# Altium PCB PCB2.PcbDoc (part 4 of 4) (continued)
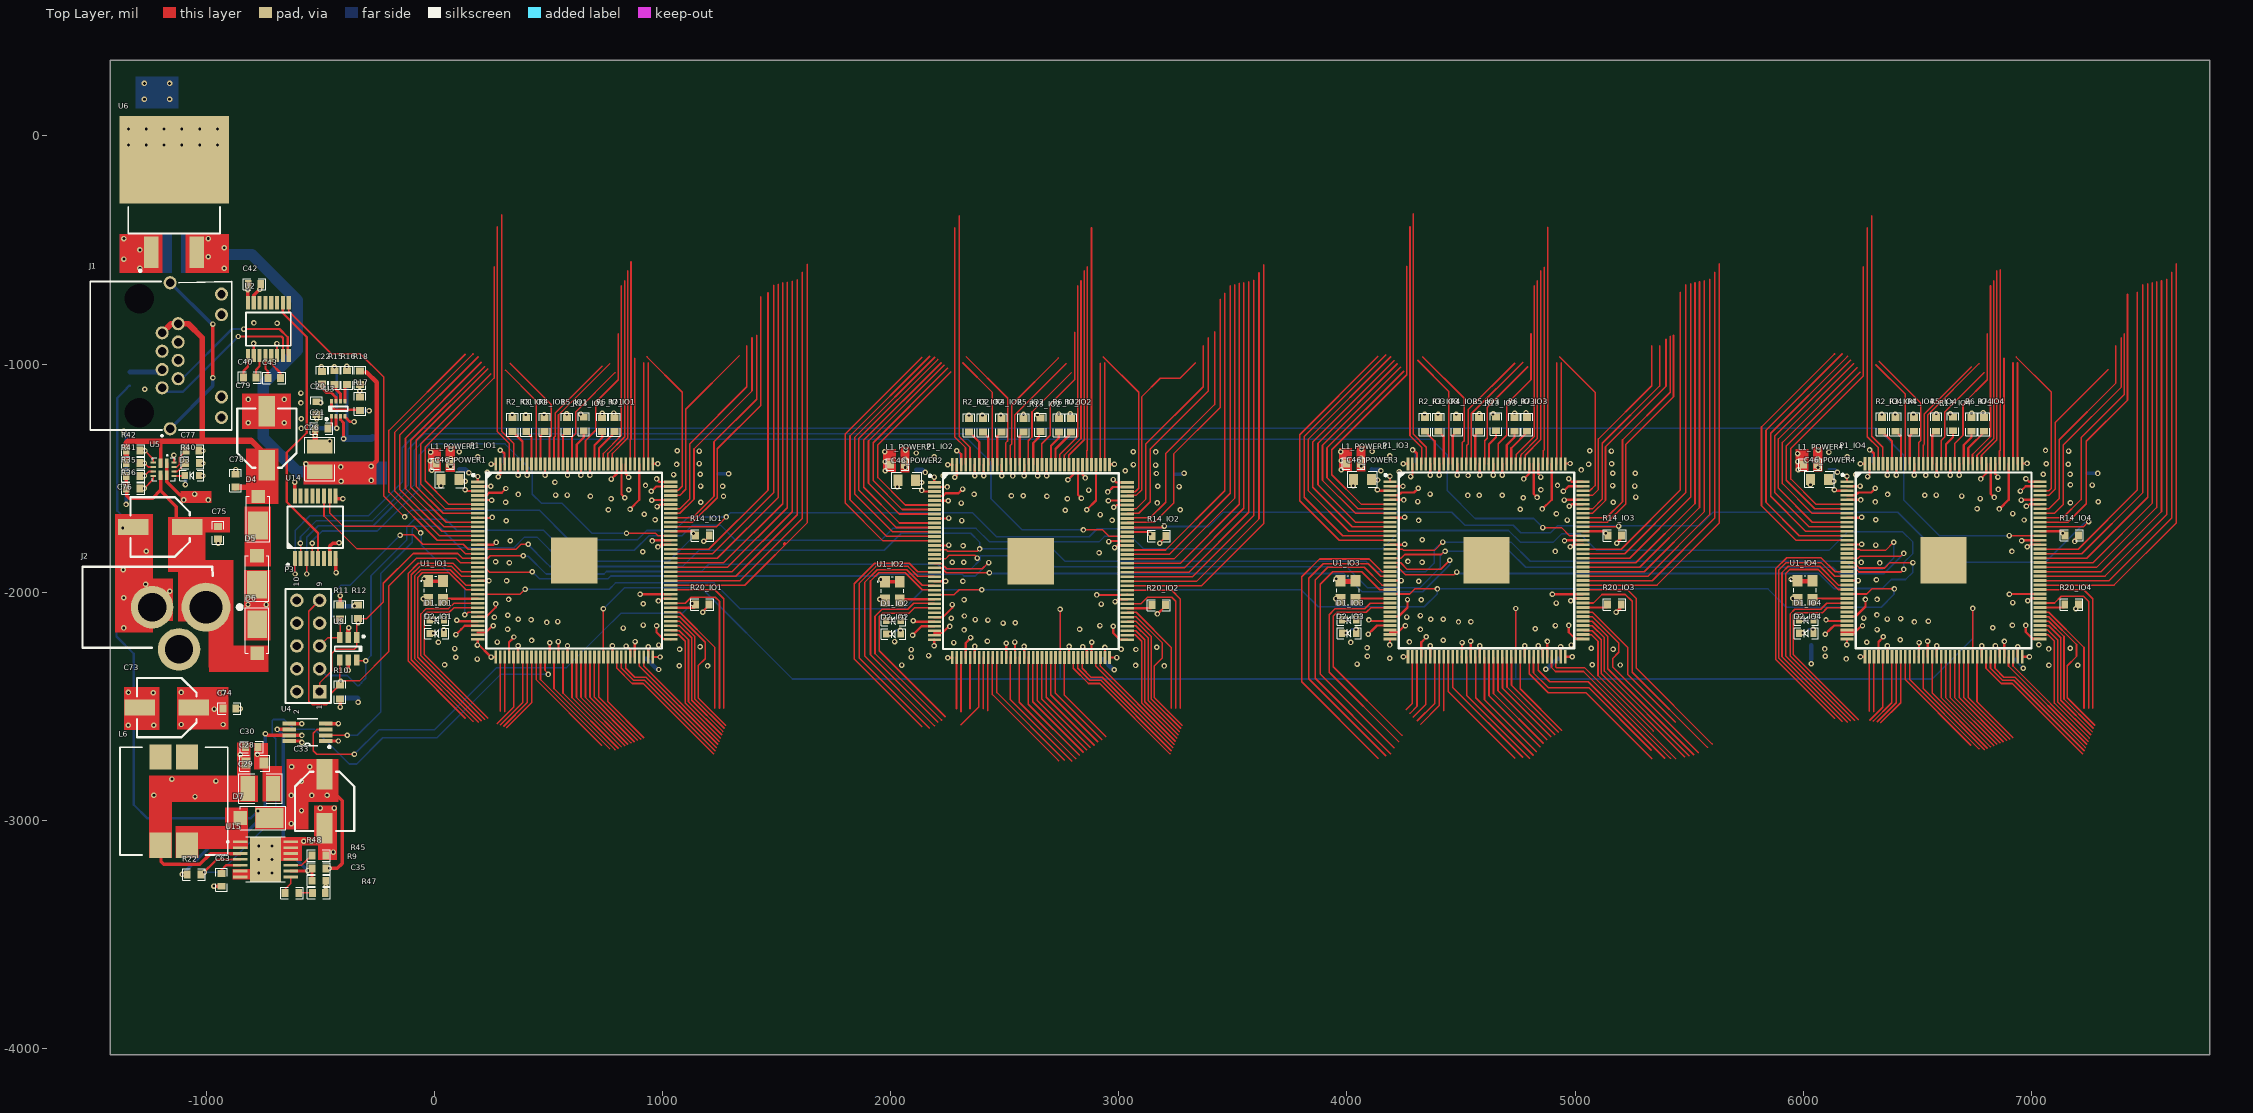
[diagram p0: Top Layer view]
## Nets (pads, with @x,y where several pads share a name; then routed paths per layer and width w, separated by ;. In a path a pad name is that pad's centre, name@x,y a point inside that pad or via, vN(x,y) a via of type N, cw(c..) or ccw(c..) an arc to the next point about the centre after c; other vN are vias at no path point) (continued)
VCC_12V: C19.2 C20.2 C28.2 C29.2 C30.2 C73.1 C74.2 D5.1 D6.1 L6.1 R15.2 R37.1 U3.2 U5.1 U5.8 U15.3 | length 1194.8
  Top Layer w12: U3.2@-430.27,-1228.8 -430.27,-1278.22 v1(-426.97,-1281.52)
  Top Layer w15: L6.1@-1199.57,-3108.51 -1197.5,-3110.58 -1197.5,-3180.6 -1195.5,-3180.6 -1184.71,-3191.39 -1026.88,-3191.39 -980.64,-3145.15 U15.3@-849.83,-3145.15 ; U5.1@-1172.1,-1434.23 U5.8@-1172.1,-1487.37 -1172.1,-1516.58 -1115.48,-1573.2 -1014.47,-1573.2
  Bottom Layer w12: C19.2@-541.8,-1259.52 C19.2@-519.79,-1281.52 ; v1(-437.6,-1012.6) -426.97,-1023.23 v1(-426.97,-1281.52)
  Bottom Layer w15: v1@-1089.94,-1524.92 -1089.66,-1524.64 R37.1@-1089.66,-1489.33
  Bottom Layer w20: C19.2@-519.79,-1281.52 v1(-426.97,-1281.52)
  other v1: -1048.5,-2895.6 -1228.5,-2889.6 -956.5,-2827.6 -1149.5,-2818.6 -849.25,-2711.29 -1108.4,-2579.5 -925.7,-2579.5 -963.9,-2511.8 -1108.4,-2439 -925.7,-2439 -816.2,-2054.1 -736.7,-2054.1 -1098.16,-1595.43 -990.76,-1595.43 -1050.16,-1569.83 -1090.26,-1527.93 -583,-1282.2 -583,-1240 -515.3,-1240.5
VCC_FPGA_IO1: C2_POWER1.1 C3_POWER1.1 C4_POWER1.1 C5_POWER1.1 C6_POWER1.1 C7_POWER1.1 C9_POWER1.1 C10_POWER1.2 C11_POWER1.2 C12_POWER1.1 C13_POWER1.1 C15_POWER1.1 C16_POWER1.1 C17_POWER1.1 C23_POWER1.1 C24_POWER1.1 C45_POWER1.1 C46_POWER1.2 C47_POWER1.1 C48_POWER1.1 C49_POWER1.1 C51_POWER1.1 C52_POWER1.1 C53_POWER1.1 C54_POWER1.1 C55_POWER1.2 C56_POWER1.2 C57_POWER1.1 C58_POWER1.1 C59_POWER1.1 C60_POWER1.1 C61_POWER1.1 C62_POWER1.1 C64_POWER1.1 C65_POWER1.1 C66_POWER1.1 C67_POWER1.1 C68_POWER1.1 C69_POWER1.2 C70_POWER1.2 C71_POWER1.2 C72_POWER1.2 L1_POWER1.2 L3_POWER1.2 P1_IO1.1 P1_IO1.2 P1_IO1.5 P1_IO1.9 P1_IO1.23 P1_IO1.31 P1_IO1.34 P1_IO1.35 P1_IO1.36 P1_IO1.37 P1_IO1.40 P1_IO1.49 P1_IO1.51 P1_IO1.67 P1_IO1.71 P1_IO1.72 P1_IO1.73 P1_IO1.82 P1_IO1.94 P1_IO1.103 P1_IO1.107 P1_IO1.108 P1_IO1.109 P1_IO1.115 P1_IO1.117 P1_IO1.128 P1_IO1.139 P1_IO1.143 P1_IO1.144 R1_IO1.1 R2_IO1.1 R3_IO1.1 R4_IO1.1 R5_IO1.1 R6_IO1.1 R7_IO1.1 R14_IO1.2 R20_IO1.2 | length 1793.6
  Top Layer w10: v1(190.1,-1492.67) 190.1,-1515.95 P1_IO1.1@190.71,-1516.57 P1_IO1.1@190.96,-1516.81 ; 190.71,-2176.02 225.48,-2176.02 245.2,-2156.3 245.41,-2156.3 254.41,-2147.3 v1(258.2,-2147.3) ; P1_IO1.31@190.71,-2107.12 190.93,-2106.9 227.6,-2106.9 269.2,-2065.3 v1(269.2,-2051.3) ; P1_IO1.23@190.71,-1949.64 v1(239.66,-1949.64) ; P1_IO1.9@190.71,-1674.05 190.96,-1674.3 252.07,-1674.3 v1@254.78,-1671.59 ; P1_IO1.5@190.71,-1595.31 191.26,-1595.85 250.42,-1595.85 v1(250.97,-1596.4) ; P1_IO1.2@190.71,-1536.25 190.96,-1536.01 247.26,-1536.01 v1(247.5,-1535.76) ; P1_IO1.36@190.83,-2205.42 P1_IO1.36@190.71,-2205.54 190.71,-2225.54 248.98,-2283.81 P1_IO1.37@268.98,-2283.81 ; v1(248.96,-1438.2) 249.06,-1438.3 P1_IO1.144@268.98,-1438.3 P1_IO1.144@269.22,-1438.06 ; v1(280.52,-1493.77) 280.66,-1493.77 288.66,-1485.77 P1_IO1.143@288.66,-1438.3 ; P1_IO1.40@328.03,-2283.81 328.03,-2219.47 349.26,-2198.24 v1(349.26,-2196.11) ; v1(367.4,-1487.25) P1_IO1.139@367.4,-1438.3 ; P1_IO1.49@505.2,-2283.81 505.7,-2283.31 505.7,-2221.8 v1(506.2,-2221.3) ; v1(543.44,-2215.91) 544.42,-2216.89 544.42,-2283.66 P1_IO1.51@544.57,-2283.81 ; v1(583.94,-1487.25) P1_IO1.128@583.94,-1438.3 ; v1(776.15,-1504.18) 800.48,-1479.86 P1_IO1.117@800.48,-1438.3 ; P1_IO1.115@839.85,-1438.3 839.85,-1481.63 851.66,-1493.45 v1(851.66,-1496.27) ; v1(840.65,-2235.78) 843.72,-2235.78 858.63,-2250.68 858.63,-2282.91 P1_IO1.67@859.53,-2283.81 ; v1@939.2,-2241.3 938.24,-2242.26 P1_IO1.71@938.24,-2283.78 ; v1@952.2,-1557.3 973.25,-1536.25 P1_IO1.107@1036.22,-1536.25 ; P1_IO1.72@957.96,-2283.81 P1_IO1.72@957.96,-2283.81 v1(989.62,-2283.77) ; P1_IO1.109@957.96,-1438.3 959.63,-1436.63 v1(979.58,-1436.63) ; v1(974.08,-2146.27) 974.08,-2175.63 1003.09,-2204.64 1035.32,-2204.64 P1_IO1.73@1036.22,-2205.54 ; v1(974.18,-1503.34) 987.4,-1516.57 P1_IO1.108@1036.22,-1516.57 ; v1(976.44,-1624.36) 980.22,-1624.36 989.59,-1614.99 P1_IO1.103@1036.22,-1614.99 ; v1(980.25,-1801.49) 983.51,-1801.49 993.1,-1791.9 1035.96,-1791.9 P1_IO1.94@1036.22,-1792.16 ; v1(982.68,-2038.07) 986.47,-2038.07 997.04,-2027.5 1035.34,-2027.5 P1_IO1.82@1036.22,-2028.38 ; v1(1176.7,-2088.01) 1176.7,-2084.3 1204.2,-2056.8 R20_IO1.2@1204.2,-2054.3 ; v1(1181.19,-1776.03) 1182.97,-1776.03 1205.2,-1753.8 R14_IO1.2@1205.2,-1751.3 ; P1_IO1.71@938.24,-2283.78 P1_IO1.71@938.27,-2283.81
  other v1: 1197.93,-2322.87 94.2,-2284.8 249.19,-2284.02 90.3,-2246.7 938.2,-2239.3 1164.7,-2238.8 189.39,-2231.59 426.4,-2211.1 263.85,-2109.18 329.5,-1870.8 333.08,-1773.86 254.2,-1672.3 1168,-1605.8 950.5,-1557.69 1166.9,-1534.6 925.8,-1532.1 528.88,-1518.19 135.5,-1513.9 1166.3,-1482.3 71.55,-1449.52 1061.8,-1440 72.74,-1413.92 1064.6,-1379.4 72.14,-1373.55 342.2,-1221.3 401.2,-1221.3 481.2,-1221.3 581.2,-1218.3 736.2,-1216.3 786.49,-1214.74
VCC_FPGA_IO2: C2_POWER2.1 C3_POWER2.1 C4_POWER2.1 C5_POWER2.1 C6_POWER2.1 C7_POWER2.1 C9_POWER2.1 C10_POWER2.2 C11_POWER2.2 C12_POWER2.1 C13_POWER2.1 C15_POWER2.1 C16_POWER2.1 C17_POWER2.1 C23_POWER2.1 C24_POWER2.1 C45_POWER2.1 C46_POWER2.2 C47_POWER2.1 C48_POWER2.1 C49_POWER2.1 C51_POWER2.1 C52_POWER2.1 C53_POWER2.1 C54_POWER2.1 C55_POWER2.2 C56_POWER2.2 C57_POWER2.1 C58_POWER2.1 C59_POWER2.1 C60_POWER2.1 C61_POWER2.1 C62_POWER2.1 C64_POWER2.1 C65_POWER2.1 C66_POWER2.1 C67_POWER2.1 C68_POWER2.1 C69_POWER2.2 C70_POWER2.2 C71_POWER2.2 C72_POWER2.2 L1_POWER2.2 L3_POWER2.2 P1_IO2.1 P1_IO2.2 P1_IO2.5 P1_IO2.9 P1_IO2.23 P1_IO2.31 P1_IO2.34 P1_IO2.35 P1_IO2.36 P1_IO2.37 P1_IO2.40 P1_IO2.49 P1_IO2.51 P1_IO2.67 P1_IO2.71 P1_IO2.72 P1_IO2.73 P1_IO2.82 P1_IO2.94 P1_IO2.103 P1_IO2.107 P1_IO2.108 P1_IO2.109 P1_IO2.115 P1_IO2.117 P1_IO2.128 P1_IO2.139 P1_IO2.143 P1_IO2.144 R1_IO2.1 R2_IO2.1 R3_IO2.1 R4_IO2.1 R5_IO2.1 R6_IO2.1 R7_IO2.1 R14_IO2.2 R20_IO2.2 R30.1 | length 1732.9
  Top Layer w10: v1(2190.49,-2234.19) 2191.81,-2232.87 P1_IO2.36@2191.81,-2208.14 P1_IO2.36@2191.93,-2208.02 ; v1(2191.2,-1495.27) 2191.2,-1518.55 P1_IO2.1@2191.81,-1519.17 P1_IO2.1@2192.06,-1519.41 ; 2191.81,-2178.62 2226.58,-2178.62 2246.3,-2158.9 2246.51,-2158.9 2255.51,-2149.9 v1(2259.3,-2149.9) ; P1_IO2.31@2191.81,-2109.72 2192.03,-2109.5 2228.7,-2109.5 2270.3,-2067.9 v1(2270.3,-2053.9) ; P1_IO2.23@2191.81,-1952.24 v1(2240.76,-1952.24) ; P1_IO2.9@2191.81,-1676.65 2192.06,-1676.9 2253.17,-1676.9 v1@2255.88,-1674.19 ; P1_IO2.5@2191.81,-1597.91 2192.36,-1598.45 2251.52,-1598.45 v1(2252.07,-1599) ; P1_IO2.2@2191.81,-1538.85 2192.06,-1538.61 2248.36,-1538.61 v1(2248.6,-1538.36) ; v1(2250.06,-1440.8) 2250.16,-1440.9 P1_IO2.144@2270.08,-1440.9 P1_IO2.144@2270.32,-1440.66 ; v1(2250.29,-2286.62) 2252.58,-2286.62 2252.79,-2286.41 P1_IO2.37@2270.08,-2286.41 ; v1(2281.62,-1496.37) 2281.76,-1496.37 2289.76,-1488.37 P1_IO2.143@2289.76,-1440.9 ; P1_IO2.40@2329.13,-2286.41 2329.13,-2222.07 2350.36,-2200.84 v1(2350.36,-2198.71) ; v1(2368.5,-1489.85) P1_IO2.139@2368.5,-1440.9 ; P1_IO2.49@2506.3,-2286.41 2506.8,-2285.91 2506.8,-2224.4 v1(2507.3,-2223.9) ; v1(2544.54,-2218.51) 2545.52,-2219.49 2545.52,-2286.26 P1_IO2.51@2545.67,-2286.41 ; v1(2585.04,-1489.85) P1_IO2.128@2585.04,-1440.9 ; v1(2777.25,-1506.78) 2801.58,-1482.46 P1_IO2.117@2801.58,-1440.9 ; P1_IO2.115@2840.95,-1440.9 2840.95,-1484.23 2852.76,-1496.05 v1(2852.76,-1498.87) ; v1(2841.75,-2238.38) 2844.82,-2238.38 2859.73,-2253.28 2859.73,-2285.51 P1_IO2.67@2860.63,-2286.41 ; v1@2940.3,-2243.9 2939.34,-2244.86 P1_IO2.71@2939.34,-2286.38 ; v1@2953.3,-1559.9 2974.35,-1538.85 P1_IO2.107@3037.32,-1538.85 ; P1_IO2.72@2959.06,-2286.41 P1_IO2.72@2959.06,-2286.41 v1(2990.72,-2286.37) ; P1_IO2.109@2959.06,-1440.9 2960.73,-1439.23 v1(2980.68,-1439.23) ; v1(2975.18,-2148.87) 2975.18,-2178.23 3004.19,-2207.24 3036.42,-2207.24 P1_IO2.73@3037.32,-2208.14 ; v1(2975.28,-1505.94) 2988.5,-1519.17 P1_IO2.108@3037.32,-1519.17 ; v1(2977.54,-1626.96) 2981.32,-1626.96 2990.69,-1617.59 P1_IO2.103@3037.32,-1617.59 ; v1(2981.35,-1804.09) 2984.61,-1804.09 2994.2,-1794.5 3037.06,-1794.5 P1_IO2.94@3037.32,-1794.76 ; v1(2983.78,-2040.67) 2987.57,-2040.67 2998.14,-2030.1 3036.44,-2030.1 P1_IO2.82@3037.32,-2030.98 ; v1(3169.48,-2094.78) 3169.92,-2094.78 3205.3,-2059.4 R20_IO2.2@3205.3,-2056.9 ; v1(3179.36,-1785.76) 3179.36,-1783.34 3206.3,-1756.4 R14_IO2.2@3206.3,-1753.9 ; P1_IO2.71@2939.34,-2286.38 P1_IO2.71@2939.37,-2286.41
  other v1: 3199.4,-2322.8 2090.2,-2284.2 2090.6,-2251.1 2939.3,-2241.9 3166.6,-2240.7 2424.1,-2214.2 2266.1,-2113.4 2320.3,-1868.1 2317.72,-1796.61 2255.3,-1674.9 2765.5,-1640.3 3168.2,-1608.5 2951.6,-1560.29 3170.5,-1535.8 2135.5,-1519 2535.14,-1490.43 3165.05,-1479.56 2064.59,-1452.76 3064.2,-1440.5 2063.83,-1417.88 3063.5,-1384.2 2065.17,-1376.79 2343.3,-1223.9 2402.3,-1223.9 2482.3,-1223.9 2582.3,-1220.9 2737.3,-1218.9 2787.59,-1217.34
VCC_FPGA_IO3: C2_POWER3.1 C3_POWER3.1 C4_POWER3.1 C5_POWER3.1 C6_POWER3.1 C7_POWER3.1 C9_POWER3.1 C10_POWER3.2 C11_POWER3.2 C12_POWER3.1 C13_POWER3.1 C15_POWER3.1 C16_POWER3.1 C17_POWER3.1 C23_POWER3.1 C24_POWER3.1 C45_POWER3.1 C46_POWER3.2 C47_POWER3.1 C48_POWER3.1 C49_POWER3.1 C51_POWER3.1 C52_POWER3.1 C53_POWER3.1 C54_POWER3.1 C55_POWER3.2 C56_POWER3.2 C57_POWER3.1 C58_POWER3.1 C59_POWER3.1 C60_POWER3.1 C61_POWER3.1 C62_POWER3.1 C64_POWER3.1 C65_POWER3.1 C66_POWER3.1 C67_POWER3.1 C68_POWER3.1 C69_POWER3.2 C70_POWER3.2 C71_POWER3.2 C72_POWER3.2 L1_POWER3.2 L3_POWER3.2 P1_IO3.1 P1_IO3.2 P1_IO3.5 P1_IO3.9 P1_IO3.23 P1_IO3.31 P1_IO3.34 P1_IO3.35 P1_IO3.36 P1_IO3.37 P1_IO3.40 P1_IO3.49 P1_IO3.51 P1_IO3.67 P1_IO3.71 P1_IO3.72 P1_IO3.73 P1_IO3.82 P1_IO3.94 P1_IO3.103 P1_IO3.107 P1_IO3.108 P1_IO3.109 P1_IO3.115 P1_IO3.117 P1_IO3.128 P1_IO3.139 P1_IO3.143 P1_IO3.144 R1_IO3.1 R2_IO3.1 R3_IO3.1 R4_IO3.1 R5_IO3.1 R6_IO3.1 R7_IO3.1 R14_IO3.2 R20_IO3.2 R31.1 | length 1741.5
  Top Layer w10: v1(4187.39,-2230.74) 4188.71,-2229.42 P1_IO3.36@4188.71,-2204.69 P1_IO3.36@4188.83,-2204.57 ; v1(4188.1,-1491.82) 4188.1,-1515.11 P1_IO3.1@4188.71,-1515.72 P1_IO3.1@4188.96,-1515.96 ; 4188.71,-2175.17 4223.48,-2175.17 4243.2,-2155.45 4243.41,-2155.45 4252.41,-2146.45 v1(4256.2,-2146.45) ; P1_IO3.31@4188.71,-2106.27 4188.93,-2106.05 4225.6,-2106.05 4265.21,-2066.44 v1(4265.21,-2031.81) ; P1_IO3.23@4188.71,-1948.79 v1(4237.66,-1948.79) ; P1_IO3.9@4188.71,-1673.2 4188.96,-1673.45 4250.07,-1673.45 v1@4252.78,-1670.74 ; P1_IO3.5@4188.71,-1594.46 4189.26,-1595 4248.42,-1595 v1(4248.97,-1595.55) ; P1_IO3.2@4188.71,-1535.4 4188.96,-1535.16 4245.26,-1535.16 v1(4245.5,-1534.91) ; v1(4246.96,-1437.35) 4247.06,-1437.45 P1_IO3.144@4266.98,-1437.45 P1_IO3.144@4267.22,-1437.21 ; v1(4247.19,-2283.18) 4249.48,-2283.18 4249.69,-2282.96 P1_IO3.37@4266.98,-2282.96 ; v1(4278.52,-1492.92) 4278.66,-1492.92 4286.66,-1484.92 P1_IO3.143@4286.66,-1437.45 ; P1_IO3.40@4326.03,-2282.96 4326.03,-2218.62 4347.26,-2197.39 v1(4347.26,-2195.26) ; v1(4365.4,-1486.4) P1_IO3.139@4365.4,-1437.45 ; P1_IO3.49@4503.2,-2282.96 4503.7,-2282.46 4503.7,-2220.95 v1(4504.2,-2220.45) ; v1(4541.44,-2215.06) 4542.42,-2216.04 4542.42,-2282.81 P1_IO3.51@4542.57,-2282.96 ; v1(4581.94,-1486.4) P1_IO3.128@4581.94,-1437.45 ; v1(4774.15,-1503.33) 4798.48,-1479.01 P1_IO3.117@4798.48,-1437.45 ; P1_IO3.115@4837.85,-1437.45 4837.85,-1480.78 4849.66,-1492.6 v1(4849.66,-1495.42) ; v1(4838.65,-2234.93) 4841.72,-2234.93 4856.63,-2249.83 4856.63,-2282.06 P1_IO3.67@4857.53,-2282.96 ; v1@4937.2,-2240.45 4936.24,-2241.41 P1_IO3.71@4936.24,-2282.93 ; v1@4950.2,-1556.45 4971.25,-1535.4 P1_IO3.107@5034.22,-1535.4 ; P1_IO3.72@4955.96,-2282.96 4956,-2282.92 v1(4987.62,-2282.92) ; P1_IO3.109@4955.96,-1437.45 4957.63,-1435.78 v1(4977.58,-1435.78) ; v1(4972.08,-2145.42) 4972.08,-2174.78 5001.09,-2203.79 5033.32,-2203.79 P1_IO3.73@5034.22,-2204.69 ; v1(4972.18,-1502.49) 4985.4,-1515.72 P1_IO3.108@5034.22,-1515.72 ; v1(4974.44,-1623.51) 4978.22,-1623.51 4987.59,-1614.14 P1_IO3.103@5034.22,-1614.14 ; v1(4978.25,-1800.64) 4981.51,-1800.64 4991.1,-1791.05 5033.96,-1791.05 P1_IO3.94@5034.22,-1791.31 ; v1(4980.68,-2037.22) 4984.47,-2037.22 4995.04,-2026.65 5033.34,-2026.65 P1_IO3.82@5034.22,-2027.53 ; P1_IO3.71@4936.24,-2282.93 P1_IO3.71@4936.27,-2282.96
  Top Layer w15: v1(5179.42,-2087.76) 5194.7,-2072.48 5194.7,-2060.95 R20_IO3.2@5202.2,-2053.45 ; v1(5181.89,-1784.69) 5195.7,-1770.87 5195.7,-1757.95 R14_IO3.2@5203.2,-1750.45
  other v1: 5197.1,-2318.8 4089.6,-2280.3 5166.28,-2250.12 4087.8,-2243.1 4936.2,-2238.45 4422.3,-2210.3 4262.4,-2108.5 4329.2,-1868 4330.18,-1770.21 4252.2,-1671.45 5166.3,-1606 4680.4,-1575.3 4948.5,-1556.84 4922.5,-1532.1 5163.74,-1532.28 4135.37,-1508.03 4530.8,-1488.3 5164.2,-1478.3 4062.97,-1448.31 5058.7,-1438.9 4061.7,-1412.11 5064.3,-1380.3 4063.56,-1372.34 4340.2,-1220.45 4399.2,-1220.45 4479.2,-1220.45 4579.2,-1217.45 4734.2,-1215.45 4784.49,-1213.89
VCC_FPGA_IO4: C2_POWER4.1 C3_POWER4.1 C4_POWER4.1 C5_POWER4.1 C6_POWER4.1 C7_POWER4.1 C9_POWER4.1 C10_POWER4.2 C11_POWER4.2 C12_POWER4.1 C13_POWER4.1 C15_POWER4.1 C16_POWER4.1 C17_POWER4.1 C23_POWER4.1 C24_POWER4.1 C45_POWER4.1 C46_POWER4.2 C47_POWER4.1 C48_POWER4.1 C49_POWER4.1 C51_POWER4.1 C52_POWER4.1 C53_POWER4.1 C54_POWER4.1 C55_POWER4.2 C56_POWER4.2 C57_POWER4.1 C58_POWER4.1 C59_POWER4.1 C60_POWER4.1 C61_POWER4.1 C62_POWER4.1 C64_POWER4.1 C65_POWER4.1 C66_POWER4.1 C67_POWER4.1 C68_POWER4.1 C69_POWER4.2 C70_POWER4.2 C71_POWER4.2 C72_POWER4.2 L1_POWER4.2 L3_POWER4.2 P1_IO4.1 P1_IO4.2 P1_IO4.5 P1_IO4.9 P1_IO4.23 P1_IO4.31 P1_IO4.34 P1_IO4.35 P1_IO4.36 P1_IO4.37 P1_IO4.40 P1_IO4.49 P1_IO4.51 P1_IO4.67 P1_IO4.71 P1_IO4.72 P1_IO4.73 P1_IO4.82 P1_IO4.94 P1_IO4.103 P1_IO4.107 P1_IO4.108 P1_IO4.109 P1_IO4.115 P1_IO4.117 P1_IO4.128 P1_IO4.139 P1_IO4.143 P1_IO4.144 R1_IO4.1 R2_IO4.1 R3_IO4.1 R4_IO4.1 R5_IO4.1 R6_IO4.1 R7_IO4.1 R14_IO4.2 R20_IO4.2 R33.1 R34.1 | length 1695.3
  Top Layer w10: v1(6190.39,-2230.59) 6191.71,-2229.27 P1_IO4.36@6191.71,-2204.54 P1_IO4.36@6191.83,-2204.42 ; v1(6191.1,-1491.67) 6191.1,-1514.95 P1_IO4.1@6191.71,-1515.57 P1_IO4.1@6191.96,-1515.81 ; 6191.71,-2175.02 6226.48,-2175.02 6246.2,-2155.3 6246.41,-2155.3 6255.41,-2146.3 v1(6259.2,-2146.3) ; P1_IO4.31@6191.71,-2106.12 6191.93,-2105.9 6228.6,-2105.9 6272.21,-2062.29 v1(6272.21,-2031.34) ; P1_IO4.23@6191.71,-1948.64 v1(6240.66,-1948.64) ; P1_IO4.9@6191.71,-1673.05 6191.96,-1673.3 6253.07,-1673.3 v1@6255.78,-1670.59 ; P1_IO4.5@6191.71,-1594.31 6192.26,-1594.85 6251.42,-1594.85 v1(6251.97,-1595.4) ; P1_IO4.2@6191.71,-1535.25 6191.96,-1535.01 6248.26,-1535.01 v1(6248.5,-1534.76) ; v1(6249.96,-1437.2) 6250.06,-1437.3 P1_IO4.144@6269.98,-1437.3 P1_IO4.144@6270.22,-1437.06 ; v1(6250.19,-2283.02) 6252.48,-2283.02 6252.69,-2282.81 P1_IO4.37@6269.98,-2282.81 ; v1(6281.52,-1492.77) 6281.66,-1492.77 6289.66,-1484.77 P1_IO4.143@6289.66,-1437.3 ; P1_IO4.40@6329.03,-2282.81 6329.03,-2218.47 6350.26,-2197.24 v1(6350.26,-2195.11) ; v1(6368.4,-1486.25) P1_IO4.139@6368.4,-1437.3 ; P1_IO4.49@6506.2,-2282.81 6506.7,-2282.31 6506.7,-2220.8 v1(6507.2,-2220.3) ; v1(6544.44,-2214.91) 6545.42,-2215.89 6545.42,-2282.66 P1_IO4.51@6545.57,-2282.81 ; v1(6584.94,-1486.25) P1_IO4.128@6584.94,-1437.3 ; v1(6777.15,-1503.18) 6801.48,-1478.86 P1_IO4.117@6801.48,-1437.3 ; P1_IO4.115@6840.85,-1437.3 6840.85,-1480.63 6852.66,-1492.45 v1(6852.66,-1495.27) ; v1(6841.65,-2234.78) 6844.72,-2234.78 6859.63,-2249.68 6859.63,-2281.91 P1_IO4.67@6860.53,-2282.81 ; v1@6940.2,-2240.3 6939.24,-2241.26 P1_IO4.71@6939.24,-2282.78 ; v1@6953.2,-1556.3 6974.25,-1535.25 P1_IO4.107@7037.22,-1535.25 ; P1_IO4.72@6958.96,-2282.81 P1_IO4.72@6958.96,-2282.81 v1(6990.62,-2282.77) ; P1_IO4.109@6958.96,-1437.3 6960.63,-1435.63 v1(6980.58,-1435.63) ; v1(6975.08,-2145.27) 6975.08,-2174.63 7004.09,-2203.64 7036.32,-2203.64 P1_IO4.73@7037.22,-2204.54 ; v1(6975.18,-1502.34) 6988.4,-1515.57 P1_IO4.108@7037.22,-1515.57 ; v1(6977.44,-1623.36) 6981.22,-1623.36 6990.59,-1613.99 P1_IO4.103@7037.22,-1613.99 ; v1(6981.25,-1800.49) 6984.51,-1800.49 6994.1,-1790.9 7036.96,-1790.9 P1_IO4.94@7037.22,-1791.16 ; v1(6983.68,-2037.07) 6987.47,-2037.07 6998.04,-2026.5 7036.34,-2026.5 P1_IO4.82@7037.22,-2027.38 ; P1_IO4.71@6939.24,-2282.78 P1_IO4.71@6939.27,-2282.81
  Top Layer w15: v1(7189.2,-1777.16) 7190.92,-1775.44 7190.92,-1768.08 7206.2,-1752.8 R14_IO4.2@7206.2,-1750.3
  Bottom Layer w10: v1(6841.65,-2234.78) C66_POWER4.1@6843.4,-2234.78 ; v1@6852.66,-1498.28 v1(6852.66,-1495.27)
  other v1: 7202.7,-2319.73 6096.2,-2280.3 6094.2,-2248.3 7169.2,-2245.3 6939.2,-2238.3 6424.2,-2208.3 6265.2,-2113.3 7194.27,-2072.66 6335.2,-1871.3 6317.62,-1793.01 6255.2,-1671.3 6761.2,-1634.3 7170.2,-1607.3 6694.65,-1578.23 6951.5,-1556.69 7170.2,-1529.3 6132.2,-1513.3 6536.2,-1487.3 7168.8,-1483.3 6064.59,-1452.76 7064.2,-1436.3 6062.19,-1414.18 7061.2,-1378.3 6065.17,-1376.79 6343.2,-1220.3 6402.2,-1220.3 6482.2,-1220.3 6582.2,-1217.3 6737.2,-1215.3 6787.49,-1213.74
VCC_OUT: C31.2 C32.2 C33.1 D7.1 R45.1 R46.1 | length 2906.7
  Top Layer w15: R45.1@-475.5,-3209.93 -424.83,-3209.93 -403.5,-3188.6 -403.5,-2913.6 -426.5,-2890.6
  Bottom Layer w10: R46.1@-1335,-1094.7 -1337.5,-1094.7 -1347.5,-1104.7 -1347.5,-1107.2 -1389.07,-1148.77 -1389.07,-1643.13 -1336.8,-1695.4 -1336.8,-1917.5 -1392.2,-1972.9 -1392.2,-2193.52 -1316.4,-2269.32 -1316.4,-2931.2 -1256.6,-2991 -805.2,-2991 v1(-772.7,-2958.5)
  other v1: -460,-3210 -627.05,-3013.6 -581.78,-2956.6 -627.05,-2890.6 -536.5,-2890.6 -469.87,-2890.12 -581.78,-2827.6 -625.5,-2764.6 -545.5,-2764.6
X_25M_IO1: P1_IO1.27 U1_IO1.3 | length 289.7
  Top Layer w10: U1_IO1.3@45.16,-2025.98 U1_IO1.3@47.56,-2028.38 ; U1_IO1.3@47.56,-2028.38 P1_IO1.27@190.71,-2028.38 U1_IO1.3@47.56,-2028.38
X_25M_IO2: P1_IO2.27 U1_IO2.3 | length 289.7
  Top Layer w10: U1_IO2.3@2046.26,-2028.58 U1_IO2.3@2048.66,-2030.98 ; U1_IO2.3@2048.66,-2030.98 P1_IO2.27@2191.81,-2030.98 U1_IO2.3@2048.66,-2030.98
X_25M_IO3: P1_IO3.27 U1_IO3.3 | length 289.7
  Top Layer w10: U1_IO3.3@4043.16,-2025.13 U1_IO3.3@4045.56,-2027.53 ; U1_IO3.3@4045.56,-2027.53 P1_IO3.27@4188.71,-2027.53 U1_IO3.3@4045.56,-2027.53
X_25M_IO4: P1_IO4.27 U1_IO4.3 | length 289.7
  Top Layer w10: U1_IO4.3@6046.16,-2024.98 U1_IO4.3@6048.56,-2027.38 ; U1_IO4.3@6048.56,-2027.38 P1_IO4.27@6191.71,-2027.38 U1_IO4.3@6048.56,-2027.38
XSIG: P1_IO1.26 P1_IO2.26 P1_IO3.26 P1_IO4.26 | length 7115.2
  Top Layer w7: P1_IO1.26@190.71,-2008.69 375.81,-2008.69 v1(398.2,-1986.3) ; P1_IO2.26@2191.81,-2011.29 2277.91,-2011.29 2300.3,-1988.9 v1(2399.3,-1988.9) ; P1_IO3.26@4188.71,-2007.84 4274.81,-2007.84 4297.2,-1985.45 v1(4396.2,-1985.45) ; P1_IO4.26@6191.71,-2007.69 6277.81,-2007.69 6300.2,-1985.3 v1(6399.2,-1985.3)
  Bottom Layer w7: v1(398.2,-1986.3) 766.96,-1986.3 794.11,-1959.15 1227.35,-1959.15 1340,-2071.8 2058.2,-2071.8 2141.1,-1988.9 v1(2399.3,-1988.9) 3798.9,-1988.9 3873.96,-2063.96 4338.72,-2063.96 4396.2,-2006.48 v1(4396.2,-1985.45) 5845.45,-1985.45 5925.14,-2065.14 6341.32,-2065.14 6397.39,-2009.07 6397.39,-1987.11 v1(6399.2,-1985.3)
pads on no net: Designator3.1 Designator3.2 Designator4.1 Designator4.2 Designator5.1 Designator5.2 Designator6.1 Designator6.2 Designator7.1 Designator7.2 Designator8.1 Designator8.2 Designator9.1 Designator9.2 Designator10.1 Designator10.2 Designator11.1 Designator11.2 J1.9 J1.10 J1.11 J1.12 J1.MH3 J1.MH4 J2.3 L6.3 L6.4 P1_IO1.145 P1_IO2.145 P1_IO3.145 P1_IO4.145 P3.6 P3.7 P3.8 U2.11 U2.12 U2.13 U2.14 U14.6 U14.12 U14.13 U14.14 U14.15

## Polygon pours and split planes (outlines as drawn)
GND on Layer 1 (split plane): 7759.9,-4005.7 -1400.3,-4005.7 -1400.3,310.4 7759.9,310.4
VCC_OUT on Layer 2 (split plane): 7759.9,-4005.7 -1400.3,-4005.7 -1400.3,-3330.1 -680,-3330.1 -676.08,-3329.71 -672.31,-3328.57 -668.83,-3326.71 -665.79,-3324.21 -663.29,-3321.17 -661.43,-3317.69 -660.29,-3313.92 -659.9,-3310 -660.29,-3306.08 -661.22,-3303.01 -661.22,-2719.84 7447.51,-2719.84 7451.43,-2719.46 7455.2,-2718.31 7458.68,-2716.46 7461.72,-2713.96 7464.22,-2710.91 7466.08,-2707.44 7467.22,-2703.67 7467.61,-2699.75 7467.61,-957.6 7467.22,-953.67 7466.08,-949.9 7464.22,-946.43 7461.72,-943.38 7458.68,-940.89 7455.2,-939.03 7451.43,-937.88 7447.51,-937.5 -169.9,-937.5 -169.9,310.4 7759.9,310.4
VCC_12V on Layer 2 (split plane): -480.1,-1369.9 -681.32,-1369.9 -685.24,-1370.29 -689.01,-1371.43 -692.48,-1373.29 -695.53,-1375.79 -698.03,-1378.83 -699.88,-1382.31 -701.03,-1386.08 -701.41,-1390 -701.41,-1454.91 -701.41,-3289.9 -1400.3,-3289.9 -1400.3,-1503.97 -1400.29,-1503.92 -1399.9,-1500 -1399.9,-1454.91 -1400.29,-1450.99 -1400.3,-1450.95 -1400.3,-1200.1 -480.1,-1200.1
VCC_3V3 on Layer 2 (split plane): -299.52,310.29 -295.6,309.9 -210.1,309.9 -210.1,-957.6 -209.71,-961.52 -208.57,-965.29 -206.71,-968.76 -204.21,-971.81 -201.17,-974.31 -197.69,-976.16 -193.92,-977.31 -190,-977.69 7427.41,-977.69 7427.41,-2679.65 -659.9,-2679.65 -659.9,-2551.5 -660.29,-2547.58 -661.22,-2544.51 -661.22,-1454.91 -661.22,-1410.1 -460,-1410.1 -456.08,-1409.71 -452.31,-1408.57 -448.83,-1406.71 -445.79,-1404.21 -443.29,-1401.17 -441.43,-1397.69 -440.29,-1393.92 -439.9,-1390 -439.9,-1180 -440.29,-1176.08 -441.43,-1172.31 -443.29,-1168.83 -445.79,-1165.79 -448.83,-1163.29 -452.31,-1161.43 -456.08,-1160.29 -460,-1159.9 -1400.3,-1159.9 -1400.3,310.4 -299.9,310.4
VCC_FPGA_IO2 on Layer 2 (split plane): 3218.44,-2369.3 2046.97,-2369.3 2046.97,-1187.98 3218.44,-1187.98
VCC_FPGA_IO4 on Layer 2 (split plane): 7227.35,-2369.3 6040.52,-2369.3 6040.52,-1189.42 7227.35,-1189.42
VCC_FPGA_IO1 on Layer 2 (split plane): 1226.58,-2366.06 53.94,-2366.06 53.94,-1193.72 1226.58,-1193.72
VCC_FPGA_IO3 on Layer 2 (split plane): 5219.35,-2364.85 4037.89,-2364.85 4037.89,-1190.85 5219.35,-1190.85

## Other copper
Top Layer:
  rectangle net VCC_3V3: 5965.97,-1471.14 6023.03,-1373.23
  rectangle net VCC_FPGA_IO4: 6043.03,-1471.59 6083.03,-1363.23
  rectangle net VCC_FPGA_IO3: 4041.42,-1471.77 4081.42,-1358.78
  rectangle net VCC_3V3: 3964.35,-1468.78 4021.42,-1368.78
  rectangle net VCC_3V3: 1965.97,-1473.23 2023.03,-1373.23
  rectangle net VCC_FPGA_IO2: 2043.03,-1476.22 2083.03,-1363.23
  rectangle net VCC_FPGA_IO1: 50,-1472.99 90,-1360
  rectangle net VCC_3V3: -27.06,-1470 30,-1370
  rectangle net VCC_FPGA_IO4: 6162,-2190 6225.2,-2160.1
  region net VCC_5V: -253.6,-1527.6 -253.6,-1426.7 -572.8,-1426.7 -572.8,-1527.6
  region net GND: -1190,-430 -1380,-430 -1380,-600 -1190,-600
  rectangle net VCC_5V: -1090,-600 -900,-430
  rectangle net VCC_12V: -1112.86,-1609.03 -977.16,-1555.63
  rectangle net GND: -527.2,-3076.8 -426.88,-2934.44
  rectangle net GND: -843.2,-1285 -626.9,-1128
  rectangle net VCC_12V: -1128.2,-2602.4 -902.3,-2416.2
  rectangle net GND: -1360.2,-2603.9 -1204.8,-2416.2
  rectangle net GND: -884.5,-3259.6 -789.5,-3213.6
  region net NetD7_2: -815.5,-2943.6 -916.5,-2943.6 -916.5,-3125.6 -815.5,-3125.6
  region net GND: -578.5,-3072.6 -686.5,-3072.6 -686.5,-3178.6 -578.5,-3178.6
  region net GND: -502.5,-3109.6 -502.5,-3072.6 -684.5,-3072.6 -684.5,-3109.6
  rectangle net VCC_12V: -1249.64,-3165.6 -1148.64,-2805.6
  region net VCC_12V: -806.25,-2658.6 -864.5,-2658.6 -864.5,-2882.82 -806.25,-2882.82
  rectangle net VCC_OUT: -647.5,-3037.41 -550.07,-2730.6
  region net GND: -666.5,-2760.6 -752.5,-2760.6 -752.5,-2917.39 -666.5,-2917.39
  region net NetD7_2: -818.5,-3126.11 -818.5,-3023.6 -1132.5,-3023.6 -1132.5,-3126.11
  rectangle net NetD7_2: -1133.5,-3165.6 -1032.5,-3023.58
  region net GND: -727.5,-2659.6 -789.84,-2659.6 -789.84,-2777.39 -727.5,-2777.39
  rectangle net GND: -508.9,-3173.6 -426.5,-2944.6
  region net VCC_12V: -772.5,-2918.6 -772.5,-2802.6 -1249.59,-2802.6 -1249.59,-2918.6
  region net VCC_OUT: -786.31,-2942.17 -786.31,-3039.6 -550.5,-3039.6 -550.5,-2942.17
  region net VCC_OUT: -419.5,-2918.6 -419.5,-2730.76 -628.85,-2730.76 -628.85,-2918.6
  rectangle net PWR_CNTRL: -825.9,-1612.4 -681.7,-1369.5
  region net NetD4_1: -715.3,-1887.1 -715.3,-1624.9 -832.4,-1624.9 -832.4,-1887.1
  region net VCC_12V: -717.3,-2212.2 -717.3,-1902.2 -834.4,-1902.2 -834.4,-2212.2
  rectangle net PWR_LOCAL: -988.8,-2330.1 -879.7,-2108.4
  rectangle net PWR_LOCAL: -987.7,-2350.4 -725.5,-2233.3
  region net PWR_LOCAL: -895.83,-1738.02 -895.83,-1669.43 -1167.48,-1669.43 -1167.48,-1738.02
  rectangle net PWR_LOCAL: -1167.78,-1910.25 -1001.78,-1669.25
  rectangle net PWR_LOCAL: -1123.2,-2127.9 -879.2,-1859.52
  rectangle net GND: -1318.3,-2124.9 -1144.2,-1938.9
  rectangle net GND: -1398.2,-2176.6 -1232.2,-1657.9
Bottom Layer:
  rectangle net VCC_12V: -865.25,-2830.4 -804.47,-2660.4
  rectangle net VCC_12V: -1250,-2920 -780,-2810
  region net VCC_5V: -207.26,-1527.6 -207.26,-1427.2 -572.2,-1427.2 -572.2,-1527.6
  rectangle net GND: -1310,120 -1120,260
  region net GND: -1150,-430 -1380,-430 -1380,-600 -1150,-600
  rectangle net VCC_5V: -1110,-600 -900,-430
Layer 2 (plane layer: these items are gaps in the copper):
  lines w40: -1420,-3300 -1410,-3310 -680,-3310 -681.32,-3308.68 -681.32,-1454.91 -681.32,-1390 -460,-1390 -460,-1180 -1420,-1180 ; -1420,-1500 -1420,-1454.91 ; -680,-2551.5 -680,-2699.75 7447.51,-2699.75 7447.51,-957.6 -190,-957.6 -190,330 -295.6,330 ; 33.84,-2386.16 33.84,-1173.63 1246.68,-1173.63 1246.68,-2386.16 33.84,-2386.16 ; 2026.88,-2389.39 3238.54,-2389.39 3238.54,-1167.88 2026.88,-1167.88 2026.88,-2389.39 ; 4017.79,-2384.94 5239.45,-2384.94 5239.45,-1170.75 4017.79,-1170.75 4017.79,-2384.94 ; 6020.43,-2389.39 7247.44,-2389.39 7247.44,-1169.32 6020.43,-1169.32 6020.43,-2389.39

## Text inside footprints (layer, text, board x,y; h text height)
P3: Top Overlay "2" at -582.4,-2535.5 h40 r90; Top Overlay "1" at -482.4,-2515.5 h40 r90; Top Overlay "9" at -482.4,-1975.5 h40 r90; Top Overlay "10" at -582.4,-1975.5 h40 r90